# KiCad board ulx4m.kicad_pcb (continued)
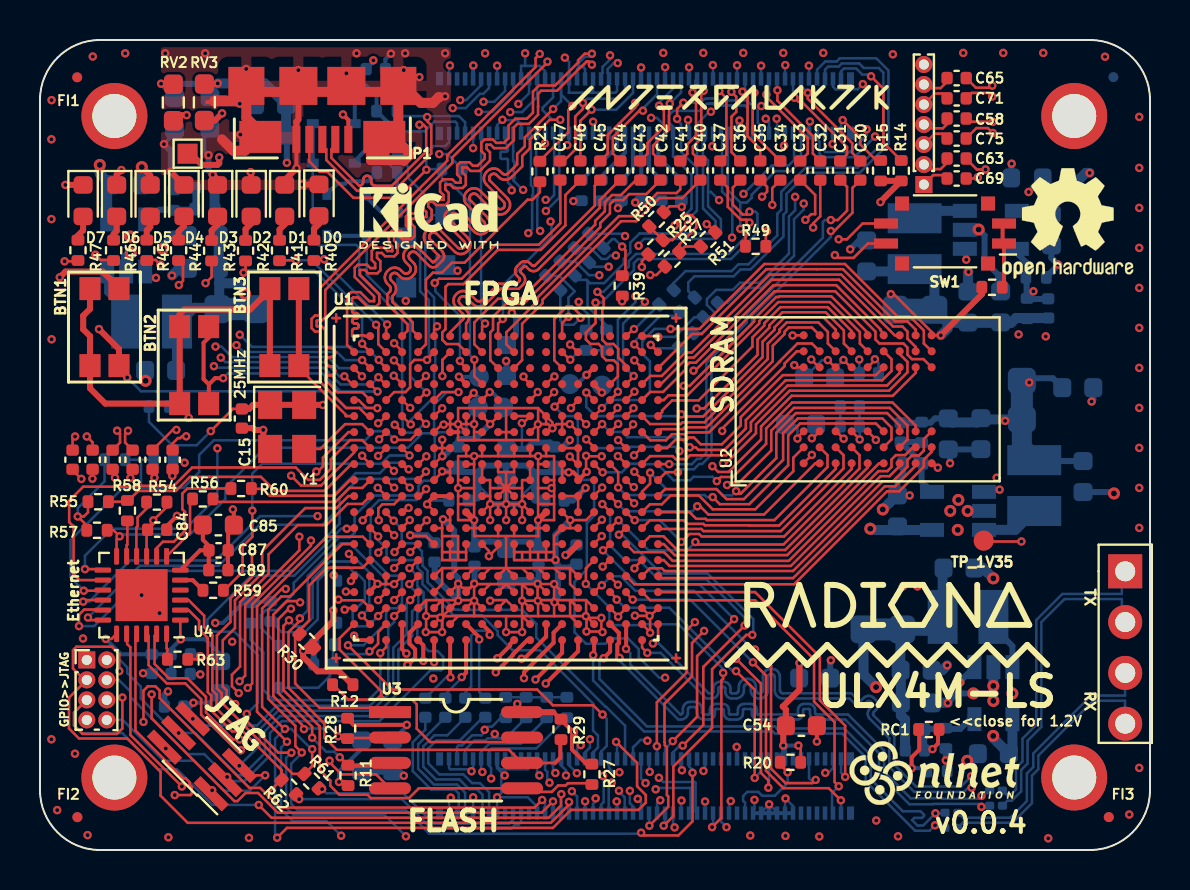
[diagram p0: board, top side]
## Routing (per net, layer and track width the routed paths; a pad name or vN(x,y) marks a point on that pad's centre or on a via; arc(x,y) is an arc through that point) (continued)
CAM1_C_N: length 20.3
  Top w0.127: v3(16.91,21.34) 16.95,21.34 U1.F3
  In2signal.Cu w0.127: v3(16.91,21.34) 16.91,21.46 17.29,21.83 17.29,22.69 17.3,22.7 17.3,22.71 17.3,22.72 17.3,22.74 17.3,22.75 17.3,22.76 17.28,22.77 17.28,22.78 17.28,22.79 17.28,22.81 17.28,22.82 17.28,22.83 17.29,22.84 17.4,22.94 17.41,22.95 17.42,22.96 17.43,22.96 17.44,22.96 17.45,22.96 17.46,22.95 17.48,22.94 17.49,22.93 17.5,22.93 17.51,22.93 17.52,22.93 17.53,22.94 17.54,22.94 17.65,23.05 17.66,23.06 17.66,23.07 17.66,23.08 17.66,23.09 17.66,23.11 17.66,23.12 17.64,23.13 17.64,23.14 17.63,23.15 17.63,23.17 17.64,23.18 17.64,23.19 17.65,23.19 17.76,23.3 17.77,23.31 17.78,23.32 17.79,23.32 17.8,23.32 17.81,23.32 17.82,23.31 17.84,23.3 17.85,23.29 17.86,23.29 17.87,23.29 17.88,23.29 17.89,23.3 17.9,23.3 18.42,23.82 18.41,23.85 18.4,23.88 18.39,23.9 18.37,23.92 18.34,23.93 18.32,23.94 18.29,23.95 18.1,23.95 18.07,23.95 18.04,23.96 18.02,23.97 18,24 17.98,24.02 17.97,24.05 17.97,24.07 17.97,24.1 17.98,24.13 18,24.15 18.02,24.17 18.04,24.19 18.07,24.2 18.1,24.2 18.29,24.2 18.32,24.2 18.34,24.21 18.37,24.23 18.39,24.25 18.4,24.27 18.41,24.3 18.42,24.33 18.42,24.82 19.38,25.78 20.05,25.78 22.47,28.2 22.47,29.98 24.99,32.51 v3(25.29,32.51)
  Bottom w0.127: v3(25.29,32.51) 25.47,32.51 25.71,32.74 25.71,35.79 J2.27
CAM1_C_P: length 20.3
  Top w0.127: U1.G3 16.96,20.54 v3(16.96,20.53)
  In2signal.Cu w0.127: v3(16.96,20.53) 17.33,20.9 17.33,21.51 17.55,21.73 17.55,22.59 18.69,23.73 18.69,24.73 19.48,25.53 20.15,25.53 22.72,28.1 22.72,29.86 24.81,31.95 v3(25.3,31.95)
  Bottom w0.127: J2.29 25.97,35.75 25.97,32.62 v3(25.3,31.95)
CAM1_D0_N: length 19.3
  Top w0.127: U1.B4 18.11,24.94 v3(17.71,25.34)
  In2signal.Cu w0.127: v3(23.59,32.98) 23.94,32.63 23.94,32.41 23.61,32.08 23.58,32.06 23.56,32.05 23.52,32.04 23.49,32.04 23.46,32.05 23.43,32.06 23.41,32.08 23.19,32.3 23.12,32.35 23.05,32.39 22.96,32.41 22.88,32.41 22.79,32.39 22.72,32.35 22.65,32.3 22.62,32.27 22.56,32.2 22.53,32.12 22.51,32.04 22.51,31.95 22.53,31.87 22.56,31.79 22.62,31.73 22.83,31.51 22.85,31.49 22.87,31.46 22.87,31.43 22.87,31.39 22.87,31.36 22.85,31.33 22.83,31.31 22.81,31.29 22.78,31.27 22.75,31.27 22.71,31.27 22.68,31.27 22.65,31.29 22.63,31.31 22.41,31.52 22.35,31.58 22.27,31.61 22.19,31.63 22.1,31.63 22.02,31.61 21.94,31.58 21.87,31.52 21.84,31.49 21.79,31.42 21.75,31.35 21.73,31.26 21.73,31.18 21.75,31.09 21.79,31.02 21.84,30.95 22.05,30.73 22.07,30.71 22.09,30.68 22.1,30.65 22.1,30.62 22.09,30.58 22.07,30.55 22.05,30.53 21.37,29.85 21.37,28.62 21.37,28.62 21.36,28.61 21.31,28.55 21.28,28.49 21.27,28.42 21.27,28.35 21.28,28.28 21.31,28.22 21.36,28.17 21.46,28.06 21.47,28.05 21.48,28.03 21.48,28.02 21.48,28 21.48,27.99 21.47,27.97 21.46,27.96 21.36,27.86 21.34,27.85 21.33,27.84 21.32,27.84 21.3,27.84 21.28,27.84 21.27,27.85 21.26,27.86 21.15,27.96 21.1,28.01 21.04,28.04 20.97,28.05 20.9,28.05 20.83,28.04 20.77,28.01 20.71,27.96 19.62,26.87 19.59,26.87 19.52,26.8 19.48,26.77 19.44,26.76 19.4,26.75 19.36,26.75 19.31,26.76 19.28,26.77 19.24,26.8 19.02,27.02 18.95,27.08 18.86,27.12 18.77,27.14 18.67,27.14 18.58,27.12 18.49,27.08 18.42,27.02 18.38,26.98 18.32,26.91 18.28,26.82 18.26,26.73 18.26,26.63 18.28,26.54 18.32,26.45 18.38,26.37 18.6,26.16 18.62,26.12 18.64,26.08 18.65,26.04 18.65,26 18.64,25.96 18.62,25.92 18.6,25.88 18.06,25.34 v3(17.71,25.34)
  Bottom w0.127: J2.15 23.26,35.35 23.4,35.21 23.4,34.98 23.33,34.91 23.07,34.91 23.03,34.87 23.03,34.6 23.08,34.55 23.36,34.55 23.4,34.51 23.4,33.37 23.59,33.18 v3(23.59,32.98)
CAM1_D0_P: length 20.4
  Top w0.127: U1.C4 18.09,24.09 v3(17.7,24.48)
  In2signal.Cu w0.127: v3(17.7,24.48) 17.91,24.69 17.91,24.83 18.78,25.7 18.8,25.72 18.86,25.79 18.9,25.88 18.92,25.97 18.92,26.07 18.9,26.16 18.86,26.25 18.8,26.32 18.58,26.54 18.56,26.57 18.54,26.61 18.53,26.66 18.53,26.7 18.54,26.74 18.56,26.78 18.58,26.82 18.62,26.84 18.66,26.86 18.7,26.87 18.74,26.87 18.78,26.86 18.82,26.84 18.86,26.82 19.08,26.6 19.15,26.54 19.24,26.5 19.33,26.47 19.43,26.47 19.52,26.5 19.61,26.54 19.68,26.6 19.7,26.62 19.7,26.62 19.74,26.62 20.88,27.76 20.9,27.77 20.91,27.78 20.92,27.78 20.94,27.78 20.96,27.78 20.97,27.77 20.98,27.76 21.09,27.66 21.14,27.61 21.2,27.58 21.27,27.57 21.34,27.57 21.41,27.58 21.47,27.61 21.53,27.66 21.66,27.79 21.7,27.85 21.74,27.91 21.75,27.98 21.75,28.05 21.74,28.11 21.7,28.18 21.66,28.23 21.56,28.34 21.55,28.35 21.54,28.36 21.54,28.38 21.54,28.39 21.54,28.41 21.55,28.42 21.56,28.44 21.63,28.51 21.63,29.14 21.63,29.17 21.64,29.2 21.65,29.22 21.67,29.24 21.7,29.25 21.73,29.26 21.75,29.27 22.05,29.27 22.08,29.27 22.11,29.28 22.13,29.29 22.15,29.31 22.16,29.34 22.17,29.37 22.18,29.39 22.17,29.42 22.16,29.45 22.15,29.47 22.13,29.49 22.11,29.51 22.08,29.52 22.05,29.52 21.75,29.52 21.73,29.52 21.7,29.53 21.67,29.55 21.65,29.57 21.64,29.59 21.63,29.62 21.63,29.65 21.63,29.73 22.26,30.36 22.31,30.43 22.35,30.51 22.37,30.59 22.37,30.67 22.35,30.76 22.31,30.83 22.26,30.9 22.04,31.12 22.02,31.14 22.01,31.17 22,31.2 22,31.23 22.01,31.27 22.02,31.3 22.04,31.32 22.07,31.34 22.1,31.35 22.13,31.36 22.16,31.36 22.19,31.35 22.22,31.34 22.24,31.32 22.46,31.11 22.53,31.05 22.6,31.02 22.69,31 22.77,31 22.86,31.02 22.93,31.05 23,31.11 23.03,31.14 23.09,31.21 23.12,31.28 23.14,31.37 23.14,31.45 23.12,31.54 23.09,31.61 23.03,31.68 22.82,31.89 22.8,31.92 22.78,31.95 22.78,31.98 22.78,32.01 22.78,32.04 22.8,32.07 22.82,32.1 22.84,32.12 22.87,32.13 22.9,32.14 22.94,32.14 22.97,32.13 23,32.12 23.02,32.1 23.24,31.88 23.3,31.83 23.38,31.79 23.47,31.77 23.55,31.77 23.63,31.79 23.71,31.83 23.78,31.88 24.25,32.36 24.25,32.91 v3(24.16,33)
  Bottom w0.127: J2.17 23.66,35.4 23.66,35.37 23.66,34.95 23.67,34.94 23.66,34.92 23.66,34.89 23.66,34.5 23.66,34.47 23.67,34.45 23.69,34.42 23.71,34.4 23.73,34.39 23.73,34.11 23.71,34.09 23.69,34.07 23.67,34.05 23.66,34.02 23.66,33.99 23.66,33.97 23.67,33.94 23.69,33.92 23.71,33.9 23.73,33.88 23.73,33.6 23.71,33.59 23.69,33.57 23.67,33.54 23.66,33.52 23.66,33.49 24.14,33 v3(24.16,33)
CAM1_D1_N: length 21.4
  Top w0.127: U1.D5 18.91,23.31 v3(19.3,23.7)
  In2signal.Cu w0.127: v3(24.42,30.84) 24.75,30.51 24.75,29.77 24.75,29.77 24.73,29.75 24.7,29.74 24.68,29.74 24.65,29.74 24.63,29.74 24.6,29.75 24.58,29.77 24.48,29.88 24.41,29.93 24.34,29.96 24.27,29.98 24.19,29.98 24.11,29.96 24.04,29.93 23.98,29.88 23.93,29.83 23.88,29.77 23.85,29.7 23.83,29.62 23.83,29.54 23.85,29.46 23.88,29.39 23.93,29.33 24.21,29.05 24.21,29.05 24.47,28.78 24.49,28.76 24.5,28.74 24.51,28.71 24.51,28.69 24.5,28.66 24.49,28.64 24.47,28.62 24.46,28.6 24.44,28.58 24.41,28.57 24.39,28.57 24.36,28.57 24.34,28.57 24.31,28.58 24.29,28.6 23.75,29.15 23.68,29.2 23.61,29.23 23.54,29.25 23.46,29.25 23.38,29.23 23.31,29.2 23.25,29.15 23.2,29.1 23.15,29.04 23.12,28.97 23.1,28.89 23.1,28.81 23.12,28.73 23.15,28.66 23.2,28.6 23.28,28.52 23.28,28.52 23.34,28.46 23.34,28.2 24.05,27.49 24.05,26.31 23.15,25.41 20.9,25.41 20.9,25.42 20.87,25.4 20.85,25.39 20.82,25.38 20.79,25.38 20.77,25.39 20.74,25.4 20.72,25.42 20.69,25.45 20.67,25.47 20.64,25.48 20.61,25.48 20.59,25.48 20.56,25.48 20.53,25.47 20.51,25.45 20.49,25.43 20.48,25.4 20.47,25.37 20.47,25.34 20.48,25.32 20.49,25.29 20.51,25.27 20.54,25.24 20.56,25.22 20.57,25.19 20.57,25.17 20.57,25.14 20.57,25.11 20.56,25.08 20.54,25.06 20.52,25.04 20.49,25.03 20.46,25.03 20.43,25.03 20.41,25.03 20.38,25.04 20.36,25.06 20.19,25.23 20.17,25.25 20.14,25.26 20.11,25.27 20.09,25.27 20.06,25.26 20.03,25.25 20.01,25.23 19.99,25.21 19.98,25.18 19.97,25.15 19.97,25.13 19.98,25.1 19.99,25.07 20.01,25.05 20.18,24.88 20.2,24.86 20.21,24.83 20.21,24.81 20.21,24.78 20.21,24.75 20.2,24.72 20.18,24.7 20.1,24.62 20.09,24.61 20.07,24.61 20.06,24.6 20.04,24.6 20.03,24.61 20.01,24.61 19.99,24.63 19.97,24.64 19.96,24.64 19.94,24.64 19.93,24.64 19.91,24.63 19.9,24.62 19.82,24.54 19.81,24.53 19.8,24.52 19.8,24.5 19.8,24.49 19.8,24.47 19.81,24.46 19.83,24.43 19.84,24.42 19.84,24.4 19.84,24.39 19.84,24.37 19.83,24.36 19.82,24.34 19.3,23.82 v3(19.3,23.7)
  Bottom w0.127: v3(24.42,30.84) 24.61,31.03 24.61,32.72 24.65,32.77 24.65,33.14 24.55,33.24 24.55,35.75 J2.21
CAM1_D1_P: length 22.3
  Top w0.127: v3(18.51,22.1) 18.12,22.49 U1.E4
  In2signal.Cu w0.127: v3(25.01,30.95) 25.01,29.67 24.93,29.59 24.93,29.59 24.92,29.57 24.85,29.52 24.78,29.49 24.71,29.47 24.63,29.47 24.55,29.49 24.48,29.52 24.42,29.57 24.31,29.68 24.29,29.69 24.26,29.71 24.24,29.71 24.21,29.71 24.19,29.71 24.16,29.69 24.14,29.68 24.13,29.66 24.11,29.64 24.1,29.62 24.1,29.59 24.1,29.57 24.1,29.54 24.11,29.52 24.13,29.5 24.39,29.23 24.39,29.23 24.67,28.95 24.72,28.89 24.76,28.82 24.77,28.74 24.77,28.66 24.76,28.58 24.72,28.51 24.67,28.45 24.63,28.4 24.56,28.35 24.49,28.32 24.42,28.3 24.34,28.3 24.26,28.32 24.19,28.35 24.13,28.4 23.58,28.95 23.56,28.97 23.53,28.98 23.51,28.98 23.48,28.98 23.46,28.98 23.43,28.97 23.41,28.95 23.4,28.93 23.38,28.91 23.37,28.89 23.37,28.86 23.37,28.84 23.37,28.81 23.38,28.79 23.4,28.77 23.51,28.66 23.56,28.6 23.59,28.53 23.61,28.45 23.61,28.28 24.29,27.59 24.29,26.21 23.25,25.17 21.03,25.17 19.72,23.86 19.72,23.31 19.47,23.31 19.43,23.27 18.97,23.27 18.92,23.22 18.92,22.51 v3(18.51,22.1)
  Bottom w0.127: J2.23 24.81,35.8 24.81,33.35 24.91,33.25 24.91,32.65 24.87,32.61 24.87,31.09 v3(25.01,30.95)
Camera_GPIO: length 18.4
  Top w0.127: U1.U19 30.52,12.49 35.76,12.49 38.71,9.53 38.71,7.42 39.73,6.39 39.73,3.4 v3(39.94,3.19)
  Bottom w0.127: J1.97 39.61,1.89 39.61,2.85 v3(39.94,3.19)
CLK_25MHz: length 4
  Top w0.127: U1.G2 16.11,21.29 15.26,21.29 14.02,20.05 Y1.3
CM4_1.8V: length 0.4
  Bottom w0.127: J1.88 J1.90
CM4_3.3V: length 246.7
  Top w0.127: U1.T3 17.31,13.29 ; 17.31,13.29 16.89,13.29 v3(16.88,13.31) ; 17.31,13.29 v3(17.71,13.29) U1.T4 ; 16.94,13.33 16.91,13.36 ; v3(41.75,24.54) 41.75,24.5 U2.E7 ; v2(37.92,5.22) 38.04,5.11 R20.2 ; 26.59,5.74 26.7,5.85 v3(26.7,5.9) ; 37.23,6.21 C54.1 ; U1.L15 26.91,17.73 v3(27.28,18.1) ; U1.L15 U1.M15 ; U1.L15 U1.L14 ; v2(24.1,21.34) 24.16,21.34 U1.F12 U1.F11 ; U1.H14 U1.H15 U1.J15 26.87,19.29 v3(26.5,19.67) ; 16.92,13.3 16.92,13.31 v3(16.88,13.31) ; v3(45.05,25.73) U2.J9 44.59,25.91 42.7,27.79 v2(42.55,27.79) ; U4.9 5.33,15.96 C84.1 5.67,16.3 v3(5.67,16.48) 6.35,17.16 R54.2 ; v2(8.54,20.94) 9.65,22.05 C15.1 ; v3(16.88,13.31) 16.88,13.33 U1.T2 ; R55.1 2.4,16.88 2.19,16.67 v3(1.89,16.67) 2.34,16.22 R57.1 ; U2.A9 37.65,25.73 v3(37.64,25.73) ; U2.B3 38.64,20.59 v3(38.6,20.59) ; v2(23.87,7.3) 23.87,7.13 24.11,6.89 ; U2.D3 40.99,20.53 v3(40.99,20.52) ; U2.A7 37.83,24.13 v3(37.72,24.24) ; J3.2 v3(6.29,5.08) ; v2(19.36,17.28) 19.71,16.93 U1.M6 ; U2.C7 39.76,24.13 v3(39.4,24.49) ; U1.P9 22.45,14.95 v2(22.45,14.69) 22.91,15.15 U1.P10
  Top w0.2: v3(16.88,13.31) 16.51,12.94 U1.U2 ; 27.6,4.26 27.37,4.26 26.6,5.03 26.6,5.7 26.62,5.71 ; 15.38,6.56 15.69,6.26 v2(18.34,6.26) ; 25.67,6.89 26.67,5.9 v3(26.7,5.9) ; v2(19.36,17.28) 19.36,17.34 U1.L6 U1.L7 ; 15.41,3.25 15.25,3.4 v2(14.95,3.4)
  Top w0.3: v3(13.16,9.95) 13.54,9.95 13.68,10.1 ; v3(13.16,9.95) 13.16,9.66 13.88,8.93 14.95,8.93 15.62,8.26 ; v3(13.16,9.95) 14.67,11.47 v3(14.67,11.98) ; v3(13.16,9.95) 13.12,9.92 ; v3(37.98,9.34) 37.98,8.01 37.15,7.18 37.3,7.02 C54.1 37.17,6.08 v2(37.17,5.22) ; v3(16.88,13.31) 16.92,13.31 16.94,13.33 ; RV3.2 8.75,36.47 v3(9.11,36.83) ; C15.1 10.46,22.05 10.66,22.25 Y1.1 Y1.4 14.15,22.25 v3(14.15,22.25) ; v3(45.05,25.73) 47.1,27.78 R70.1 ; 25.67,6.89 24.11,6.89
  POWER.Cu w0.127: v2(19.36,17.28) 19.58,17.06 20.48,17.06 20.63,16.91 20.63,16.51 v2(22.45,14.69) ; v3(5.67,16.48) 5.56,16.37 2.19,16.37 v3(1.89,16.67) ; v3(37.64,25.73) 37.64,28.06 37.67,28.09
  POWER.Cu w0.2: v2(42.55,27.79) 42.25,28.09 33.38,28.09 30.38,31.09 30.02,31.09 29.77,31.34 v2(29.77,32.37) 28.76,31.36 27.05,31.36 24.96,29.27 23.33,29.27 19.97,32.64 v3(19.97,34.8) 19.97,37.36 19.26,38.06 18.09,38.06 v3(16.67,39.48) ; 15.84,17.68 15.81,17.72 14.49,17.72 ; 12.93,18.37 12.93,18.03 13.25,17.72 ; 36.6,5.24 36.84,5.24 36.85,5.25 37.14,5.25 v2(37.17,5.22) 37.17,5.22 v2(37.92,5.22)
  POWER.Cu w0.3: v3(17.71,13.29) 16.89,13.29 v3(16.88,13.31) ; v2(18.34,6.26) 16.55,6.26 13.16,9.65 v3(13.16,9.95) 12.14,8.93 9.69,8.93 8.77,9.86 v3(8.77,11.35) ; v2(18.34,6.26) 19.29,5.31 26.11,5.31 v3(26.7,5.9) 26.91,6.11 35.74,6.11 36.6,5.24 ; v2(18.34,6.26) 15.49,3.4 v2(14.95,3.4) 14.82,3.53 13.87,3.53 13.58,3.24 9.62,3.24 9.34,2.95 7.21,5.08 v3(6.29,5.08) 6.29,6.55 7.11,7.36 v3(7.67,7.36) ; 19.26,38.06 16.47,35.27 11.24,35.27 9.68,36.83 v3(9.11,36.83) ; 15.84,17.68 16.5,17.68 ; v3(26.5,19.67) 26.5,20.49 v3(26.49,20.5) ; v3(14.67,11.98) 14.69,11.96 14.69,11.76 ; 14.49,17.54 14.49,17.72 ; 14.49,17.54 13.71,17.54 13.54,17.71 13.3,17.71 13.25,17.77 13.11,17.77 12.85,18.03 12.85,18.28 12.93,18.37 ; 14.49,17.54 14.49,15.91 14.82,15.58 14.82,15.46 15.51,15.46 16.09,14.88 ; v2(42.55,27.79) 45.49,30.73 45.49,31.33 46.03,31.87 47.35,31.87 48.59,33.11 v2(48.59,34.31)
  POWER.Cu w0.5: 16.09,14.88 16.09,14.1 v3(16.88,13.31)
  Bottom w0.127: v2(24.1,21.34) 24.1,20.05 ; R67.2 R66.2 ; R67.2 R65.2 R64.2 ; R67.2 24.2,7.63 v2(23.87,7.3) ; v2(8.54,20.94) 7.83,20.23 6.62,20.23 5.45,21.4 R18.2 ; v3(37.72,24.24) 38.22,23.75 C78.1 38.23,23.61 39.11,24.49 v3(39.4,24.49) ; C79.1 C81.1 40.99,21.17 v3(40.99,20.52) ; C82.1 38.81,20.79 38.61,20.59 v3(38.6,20.59) ; v3(19.97,34.8) 20.37,34.8 R19.2 ; RP3.2 42.55,27.26 v2(42.55,27.79) ; 13.69,10.26 R31.1 ; C14.1 19.55,17.47 v2(19.36,17.28) ; v3(41.75,24.54) 41.93,24.36 C80.1 ; J1.84 J1.86 ; 26.52,17.47 C13.1 ; R53.1 3.23,18.45 3.24,18.44 1.89,17.09 v3(1.89,16.67)
  Bottom w0.2: C51.1 18.34,6.2 v2(18.34,6.26) ; J1.84 37.17,4.87 v2(37.17,5.22) ; 11.53,12.41 10.21,12.41 9.15,11.35 v3(8.77,11.35) ; v2(14.95,3.4) 14.95,3.93 16.08,5.05 C50.1 ; C18.1 16.67,39.4 v3(16.67,39.48) ; J1.86 37.26,5.08 37.39,5.22 v2(37.92,5.22) ; FB1.1 8.94,7.86 8.45,7.36 v3(7.67,7.36) ; R8.1 31.06,32.46 R16.1 29.86,32.46 v2(29.77,32.37)
  Bottom w0.3: v2(48.59,34.31) 48.57,34.3 C52.1 ; v3(13.16,9.95) 13.48,10.27 R31.1 ; v3(27.28,18.1) 26.66,17.47 26.52,17.47 ; v3(26.49,20.5) 26.15,20.15 C25.1 25.51,20.37 24.64,20.37 24.32,20.05 C20.1 ; C16.1 37.97,9.33 v3(37.98,9.34) ; C21.1 7.48,7.17 v3(7.67,7.36) ; C99.2 13.69,10.26 ; C50.1 C51.1
  Bottom w0.5: 45.39,26.35 45.39,26.07 v3(45.05,25.73) ; 45.39,26.35 RP3.1 44.73,28.43 44.11,29.04 L3.2 ; 45.39,26.35 48.56,26.35 48.81,26.6 C6.1 ; C24.1 43.56,28.93 43.74,28.74
DSI0_C_N: length 20.9
  Top w0.127: v3(29.11,30.17) 29.28,30.01 29.28,28.87 R39.1
  In2signal.Cu w0.127: v3(29.11,30.17) 29.3,30.17 29.76,30.62 v3(34.61,30.62)
  POWER.Cu w0.127: v3(34.61,30.62) 34.62,30.63 34.62,32.24 v3(35.18,32.8)
  Bottom w0.127: R38.2 28.62,30.54 28.74,30.54 v3(29.11,30.17) ; J2.87 37.71,35.79 37.71,34.49 37.44,34.22 36.6,34.22 v3(35.18,32.8) ; 34.62,30.61 34.62,32.41 34.11,32.92 34.11,35.64 34.06,35.69
DSI0_C_P: length 20.5
  Top w0.127: R49.1 35.28,30.8 v3(35.02,31.06)
  In2signal.Cu w0.127: v3(29.26,30.7) 31.37,32.81 32.97,32.81 34.73,31.06 v3(35.02,31.06)
  Bottom w0.127: 34.46,35.69 34.4,35.64 34.4,32.99 35.02,32.37 ; v3(29.26,30.7) 29.14,30.82 R26.1 ; J2.89 38.06,34.46 37.54,33.94 36.77,33.94 35.59,32.77 35.59,32.6 35.58,32.6 35.35,32.37 35.02,32.37 ; 35.02,32.37 v3(35.02,31.06)
DSI0_D0_N: length 16.3
  Top w0.127: v3(31.74,31.22) 32.26,31.74 32.59,31.74 32.82,31.51 32.82,31.12 31.97,30.28 R37.2 32.25,30.17 R51.1
  Bottom w0.127: 31.66,35.69 31.66,34.69 32.58,33.76 32.58,32.07 v3(31.74,31.22) ; J2.57 31.66,36.17 31.44,36.38 31.44,36.73 31.67,36.96 32.99,36.96 33.34,37.31 33.48,37.31 33.5,37.32 33.64,37.32 33.67,37.3 33.77,37.3 33.84,37.22 35.25,37.22 35.38,37.09 35.38,36.36 35.35,36.33 35.35,35.94 J2.75
DSI0_D0_P: length 14.3
  Top w0.127: v3(31.86,36.56) 31.86,37.05 v3(32.17,37.36) ; v3(32.41,31.28) 31.62,30.5 R25.1 30.47,31.17 R50.1
  Bottom w0.127: v3(32.17,37.36) 33.04,37.36 33.24,37.56 33.38,37.56 33.39,37.58 33.75,37.58 33.78,37.55 33.88,37.55 33.95,37.48 35.36,37.48 35.64,37.2 35.64,35.87 J2.77 ; v3(32.41,31.28) 32.41,31.52 32.85,31.96 32.85,34.12 32.06,34.91 32.06,35.69 ; v3(31.86,36.56) 31.86,36.5 32.06,36.3 J2.59
DSI0_D1_N: length 22.3
  In2signal.Cu w0.127: v3(36.29,36.56) 36.14,36.56 35.3,37.4 34.04,37.4 v3(33.55,36.91)
  Bottom w0.127: v3(36.29,36.56) 36.46,36.4 J2.81 ; R48.1 28.32,26.24 27.38,27.18 27.38,28.46 27.34,28.51 ; 27.34,28.51 27.51,28.34 28.21,28.34 29.19,29.32 29.19,29.55 29.52,29.88 29.52,30.37 29.98,30.82 33.72,30.82 33.78,30.89 33.78,31.45 33.16,32.08 33.16,34.37 32.86,34.67 32.86,35.69 ; 27.34,28.51 26.96,28.51 R36.2 ; J2.63 32.86,36.3 33.47,36.91 v3(33.55,36.91)
DSI0_D1_P: length 28.7
  In2signal.Cu w0.127: v3(33.96,32.49) 33.02,33.43 33.02,35.78 34.34,37.1 35.18,37.1 36.2,36.09 36.84,36.09 v3(36.84,36.56) ; v3(26.94,27.41) 26.94,28.04 27.64,28.74 v3(27.97,28.74) 28.68,28.74 29.94,30 v3(29.94,30.21)
  Bottom w0.127: 33.41,32.9 33.41,34.47 33.15,34.74 33.15,35.35 33.26,35.46 33.26,35.69 ; 33.41,32.9 33.55,32.9 v3(33.96,32.49) ; 33.41,32.9 33.41,32.18 34.05,31.54 34.05,30.79 33.81,30.55 30.21,30.55 29.94,30.28 v3(29.94,30.21) ; v3(26.94,27.41) 26.94,27.26 27.45,26.75 27.45,26.14 R52.1 ; v3(36.84,36.56) 36.86,36.55 J2.83 ; v3(27.97,28.74) 27.45,28.74 26.77,29.42 R24.1
DSI1_D2_N: length 21.5
  In2signal.Cu w0.127: v3(37.76,32.66) 37.97,32.87 40.89,32.87 41.95,33.92 41.95,35.48 v3(41.76,35.67)
  Bottom w0.127: v3(41.76,35.67) 40.73,34.64 39.16,34.64 38.98,34.82 38.98,35.41 38.86,35.53 J2.93 ; v3(37.76,32.66) 37.76,31.99 37.45,31.68 37.45,29.82 36,28.36 35.01,28.36 34.65,28 33.81,28 33.35,27.54 33.35,27.26 33.73,26.87 33.73,26.46 33.11,25.85 R34.2
DSI1_D2_P: length 19.1
  In2signal.Cu w0.127: v3(41.34,36.03) 41.55,36.24 41.91,36.24 42.2,35.95 42.2,33.82 40.99,32.6 38.48,32.6 v3(38.19,32.32)
  Bottom w0.127: J2.95 39.23,35.82 39.23,34.93 39.27,34.9 40.5,34.9 41.34,35.74 v3(41.34,36.03) ; R22.1 34.37,27.36 35.12,28.1 36.1,28.1 37.71,29.71 37.71,31.54 38.19,32.03 v3(38.19,32.32)
DSI1_D3_N: length 23.1
  Bottom w0.127: J2.94 38.86,39.01 39.27,39.42 39.84,39.42 40,39.58 41.82,39.58 42.43,38.97 42.43,35.3 41,33.86 38.39,33.86 37.33,32.8 37.33,31.91 37.18,31.76 37.18,30.67 35.53,29.03 35.03,29.03 34.69,28.69 32.73,28.69 32.42,28.37 32.42,27.95 R35.2
DSI1_D3_P: length 22.1
  Bottom w0.127: R23.1 31.69,28.35 32.28,28.94 34.59,28.94 34.93,29.28 35.43,29.28 36.87,30.73 36.87,31.82 37.07,32.02 37.07,32.91 38.28,34.12 40.89,34.12 42.18,35.4 42.18,38.87 41.95,39.1 41.2,39.1 40.97,39.33 40.1,39.33 39.94,39.17 39.42,39.17 39.26,39.01 J2.96
ETH_0N: length 30.3
  Top w0.127: v3(7.09,3.18) 4.52,5.75 4.52,10.13 4.36,10.29 4.36,10.78 U4.20
  In2signal.Cu w0.127: v3(22.12,3.9) 22.12,3.61 21.83,3.31 15.46,3.31 14.73,2.59 13.85,2.59 13.24,3.2 9.73,3.2 9.12,2.59 8.43,2.59 7.84,3.18 v3(7.09,3.18)
  Bottom w0.127: v3(22.12,3.9) 22.06,3.97 J1.10 22.06,4.9 22.49,5.33 24.05,5.33 R65.1
ETH_0P: length 33.2
  Top w0.127: v3(6.74,2.75) 7.52,2.75 7.59,2.81 7.59,3.16 7.49,3.26 7.49,3.38 7.29,3.58 7.17,3.58 4.77,5.97 4.77,10.75 U4.21
  In2signal.Cu w0.127: v3(22.56,3.57) 22.04,3.06 15.56,3.06 14.83,2.33 13.74,2.33 13.13,2.94 9.84,2.94 9.23,2.33 8.32,2.33 7.88,2.78 6.77,2.78 v3(6.74,2.75)
  Bottom w0.127: R64.1 24.81,5.08 22.59,5.08 22.46,4.94 J1.12 22.46,4.21 22.56,4.11 v3(22.56,3.57)
ETH_1N: length 27.2
  Top w0.127: v3(10.04,4.99) 9.84,4.99 8.06,6.76 8.06,7.54 7.27,8.33 6.34,8.33 5.43,9.24 5.43,10.71 U4.22
  In2signal.Cu w0.127: v3(22.74,5.8) 22.66,5.8 21.26,4.41 16,4.41 15.4,3.81 13.79,3.81 13.4,4.2 11.21,4.2 10.42,4.99 v3(10.04,4.99)
  Bottom w0.127: 23.24,5.58 23.28,5.58 R67.1 ; 23.24,5.58 22.38,5.58 22.28,5.48 21.73,5.48 21.26,5.01 J1.6 ; 23.24,5.58 22.96,5.58 v3(22.74,5.8)
ETH_1P: length 25.4
  Top w0.127: v3(9.98,5.53) 9.65,5.53 8.3,6.88 8.3,7.66 7.37,8.58 6.45,8.58 5.73,9.3 5.73,10.71 U4.23
  In2signal.Cu w0.127: v3(22.24,6.01) 22.24,5.72 21.18,4.66 15.85,4.66 15.25,4.06 14.07,4.06 13.68,4.46 11.35,4.46 10.28,5.53 v3(9.98,5.53)
  Bottom w0.127: 22.33,5.99 22.08,5.73 21.61,5.73 21.1,5.23 20.92,5.23 20.86,5.16 J1.4 ; v3(22.24,6.01) 22.39,6.16 22.6,6.16 23.05,6.61 R66.1
ETH_2N: length 8.2
  Bottom w0.127: C73.2 20.37,5.73 19.72,5.73 19.17,5.18 19.17,4.16 19.8,3.53 20.98,3.53 21.47,3.04 21.85,3.04 22.13,2.76 22.13,1.92 J1.9
ETH_2P: length 8.6
  Bottom w0.127: 22.15,6.63 20.99,5.48 19.82,5.48 19.42,5.07 19.42,4.33 19.97,3.78 21.17,3.78 21.61,3.34 22,3.34 22.46,2.89 22.46,1.99
ETH_3N: length 6.8
  Bottom w0.127: 20.26,6.63 18.91,5.29 18.91,4.06 19.7,3.27 20.85,3.27 21.26,2.87 21.26,1.99
ETH_3P: length 6.7
  Bottom w0.127: C62.1 19.27,6.01 18.64,5.38 18.64,3.94 19.57,3.02 20.75,3.02 20.94,2.83 20.94,1.93 J1.3
ETH_MDC: length 24.1
  Top w0.127: v3(19.32,19.68) 18.93,19.29 U1.J5 ; U4.13 3.09,14.04 v3(2.25,14.04)
  In2signal.Cu w0.127: v3(8.87,20.08) 15.19,20.08 16,19.28 17.1,19.28 ; 17.08,19.28 17.32,19.51 17.32,20.05 17.4,20.12 18.88,20.12 v3(19.32,19.68)
  Bottom w0.127: v3(2.25,14.04) 2.25,14.72 3.6,16.06 7.28,16.06 8.87,17.65 v3(8.87,20.08)
ETH_MDIO: length 24.2
  Top w0.127: v3(20.93,22.89) 20.11,22.89 U1.E6 ; R57.2 3.68,15.98 v3(3.98,15.68) 3.83,15.53 U4.12
  Bottom w0.127: v3(3.98,15.68) 4.07,15.77 7.5,15.77 9.27,17.54 9.27,18.12 11.26,20.11 18.4,20.11 19.12,20.83 19.57,20.83 19.71,20.97 19.71,22.26 20.34,22.89 v3(20.93,22.89)
ETH_nLED1: length 12.6
  Top w0.127: R62.1 12.96,2.62 v3(12.96,2.54)
  Bottom w0.127: v3(12.96,2.54) 18.1,2.54 19.57,1.07 23.57,1.07 23.75,1.25 23.92,1.25 24.06,1.39 J1.19
ETH_nLED2: length 10.9
  Top w0.127: v3(14.11,3.05) 13.98,3.05 R61.1
  Bottom w0.127: v3(14.11,3.05) 14.32,2.84 18.17,2.84 19.68,1.32 23.46,1.32 23.66,1.52 J1.17
ETH_~{RESET}: length 27.1
  Top w0.127: v3(17.72,20.52) 17.74,20.5 18.52,20.5 U1.G5 ; v3(2.19,12.96) 3.11,12.96 U4.15
  Bottom w0.127: R53.2 5.05,19.51 ; 5.05,19.51 C83.2 ; 5.05,19.51 5.05,18.14 5.02,18.11 ; 5.02,18.11 4.15,18.11 1.53,15.49 1.53,13.62 v3(2.19,12.96) ; 5.02,18.11 7.18,18.11 7.96,18.9 7.96,19.75 8.69,20.49 16.26,20.49 16.71,20.94 17.31,20.94 v3(17.72,20.52)
FPDI_CLK+: length 19.7
  Top w0.127: v3(39.54,31.5) 39.89,31.5 40.36,31.96 40.36,33.15 C31.1 ; v3(31.46,19.29) 31.46,19.29 U1.J20
  Bottom w0.127: 31.56,19.4 31.67,19.29 32.59,19.29 32.86,19.56 33.01,19.56 33.33,19.87 33.33,21.54 33.32,21.55 33.32,24.36 35.35,26.38 35.35,26.81 39.15,30.62 39.15,31.4 39.25,31.5 v3(39.54,31.5)
FPDI_CLK-: length 20
  Top w0.127: v3(39.55,30.95) 39.72,30.95 40.63,31.86 40.63,33.1 C30.1 ; U1.K20 31.31,18.89 v3(31.9,18.89)
  Bottom w0.127: 31.97,19.04 32.7,19.04 32.97,19.3 33.12,19.3 33.58,19.77 33.58,21.65 33.58,21.65 33.58,24.25 35.6,26.28 35.6,26.71 39.55,30.66 v3(39.55,30.95)
FPDI_D0+: length 21.3
  Top w0.127: v3(38.28,31.51) 38.56,31.79 38.77,31.79 38.77,32.75 C33.1 ; v3(28.88,22.1) 28.88,22.06 U1.F17
  In2signal.Cu w0.127: 33.4,27.13 33.16,26.89 32.7,26.89 32.65,26.9 32.6,26.92 32.56,26.94 32.53,26.98 32.5,27.02 32.49,27.07 32.48,27.11 32.48,27.27 32.47,27.37 32.44,27.47 32.38,27.55 32.31,27.63 32.22,27.68 32.13,27.71 32.03,27.72 31.97,27.72 31.87,27.71 31.78,27.68 31.69,27.63 31.62,27.55 31.56,27.47 31.53,27.37 31.52,27.27 31.52,27.11 31.51,27.07 31.5,27.02 31.47,26.98 31.44,26.94 31.4,26.92 31.35,26.9 31.3,26.89 29.45,26.89 28.5,25.94 28.5,22.48 v3(28.88,22.1) ; v3(38.28,31.51) 38.28,31.3 36.14,29.16 35.43,29.16 34.25,27.98 34.22,27.96 34.2,27.95 34.17,27.94 34.14,27.94 34.12,27.95 34.09,27.96 34.07,27.98 33.96,28.09 33.9,28.13 33.83,28.17 33.75,28.19 33.67,28.19 33.59,28.17 33.52,28.13 33.46,28.09 33.36,27.99 33.31,27.92 33.27,27.85 33.26,27.77 33.26,27.69 33.27,27.62 33.31,27.54 33.36,27.48 33.46,27.38 33.48,27.35 33.49,27.33 33.5,27.3 33.5,27.27 33.49,27.25 33.48,27.22 33.46,27.2 33.4,27.13
FPDI_D0-: length 22
  Top w0.127: v3(29.66,21.29) 29.66,21.24 U1.G18 ; C32.1 39.02,31.69 38.66,31.33 v3(38.66,31.12)
  In2signal.Cu w0.127: v3(29.66,21.29) 29.28,21.67 29.28,22.29 29.3,22.31 29.3,23.1 28.76,23.64 28.76,25.85 29.55,26.63 31.33,26.63 31.43,26.65 31.52,26.68 31.61,26.73 31.68,26.81 31.74,26.89 31.77,26.99 31.78,27.09 31.78,27.24 31.79,27.29 31.8,27.34 31.83,27.38 31.86,27.42 31.9,27.44 31.95,27.46 32,27.46 32.05,27.46 32.1,27.44 32.14,27.42 32.17,27.38 32.2,27.34 32.21,27.29 32.22,27.24 32.22,27.09 32.23,26.99 32.26,26.89 32.32,26.81 32.39,26.73 32.48,26.68 32.57,26.65 32.67,26.63 33.26,26.63 33.47,26.84 33.5,26.88 33.66,27.03 33.71,27.1 33.74,27.17 33.76,27.25 33.76,27.33 33.74,27.41 33.71,27.48 33.66,27.54 33.55,27.65 33.54,27.67 33.52,27.69 33.52,27.72 33.52,27.75 33.52,27.78 33.54,27.8 33.55,27.82 33.62,27.89 33.64,27.91 33.67,27.92 33.7,27.93 33.72,27.93 33.75,27.92 33.78,27.91 33.8,27.89 33.9,27.78 33.97,27.73 34.04,27.7 34.12,27.68 34.2,27.68 34.27,27.7 34.35,27.73 34.41,27.78 35.53,28.91 36.24,28.91 38.46,31.12 v3(38.66,31.12)
FPDI_D1+: length 17
  Top w0.127: C35.1 36.36,33.15 36.36,32.91 v3(36.11,32.66) ; U1.D18 29.69,23.67 v3(29.69,23.7)
  In2signal.Cu w0.127: v3(36.11,32.66) 36.78,32.66 37.13,32.32 37.13,30.73 36.58,30.19 35.61,30.19 34.38,28.96 32.57,28.96 31.25,27.63 30.48,27.63 v3(30.25,27.41)
  Bottom w0.127: v3(29.69,23.7) 29.16,24.22 29.16,26.32 v3(30.25,27.41)
FPDI_D1-: length 17
  Top w0.127: v3(36.62,32.25) 36.62,33.09 C34.1 ; v3(28.9,22.92) 28.9,22.89 U1.E17